# KiCad board Soldermander.kicad_pcb (continued)
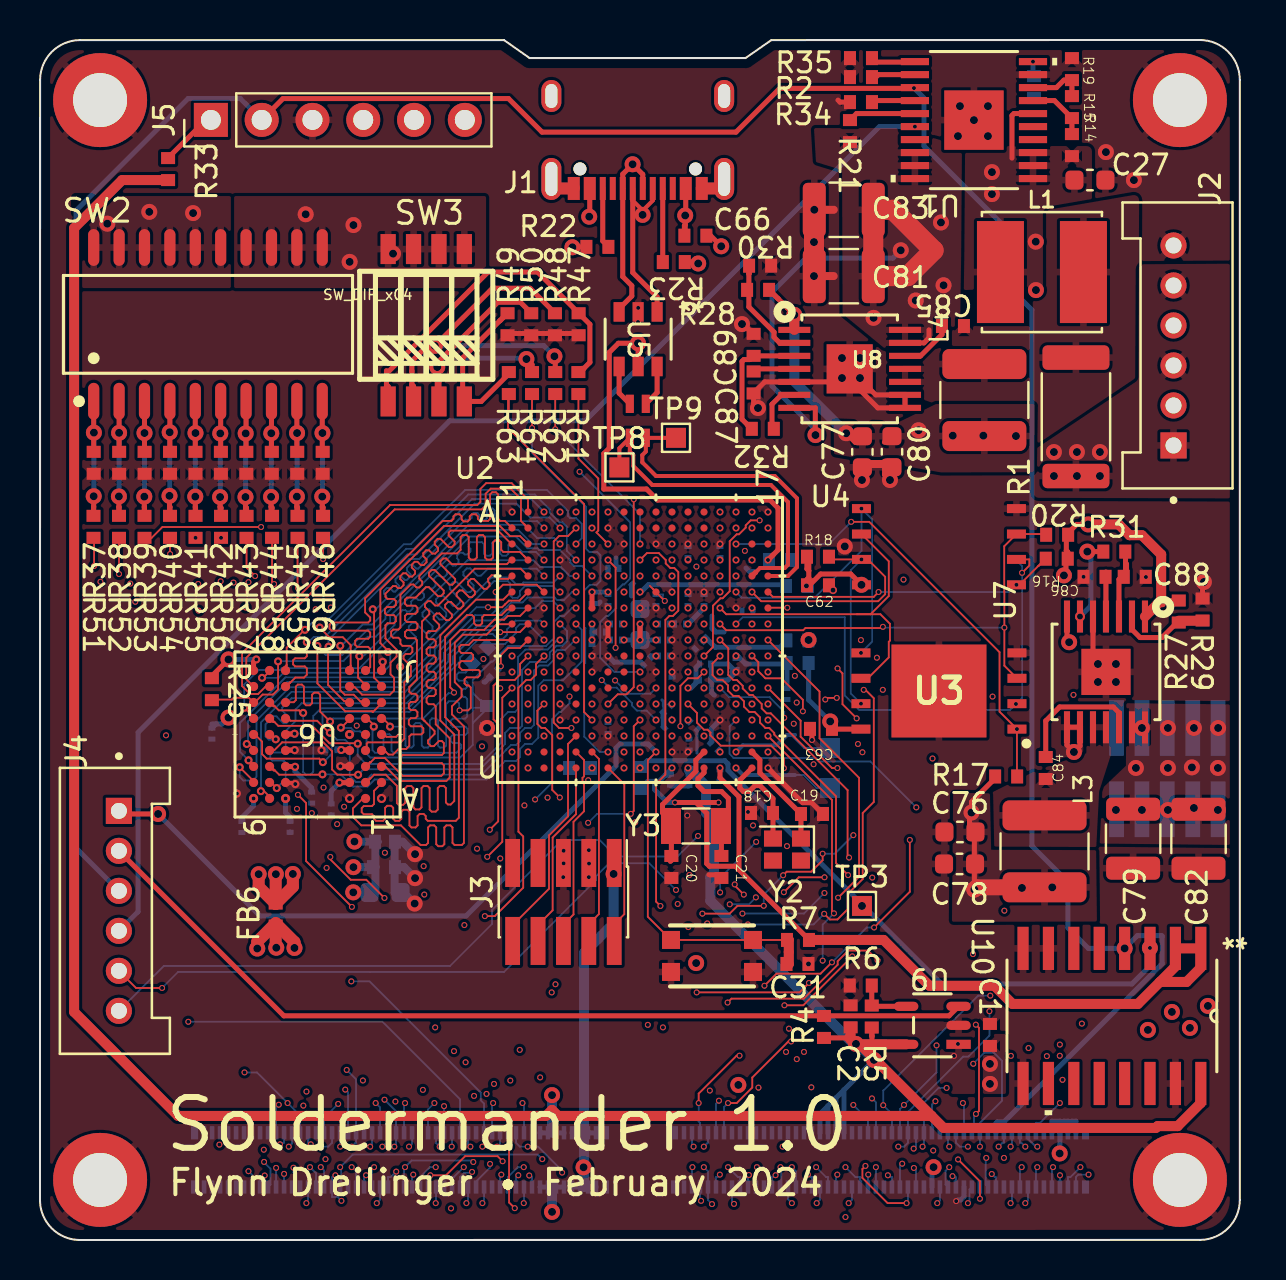
[diagram p0: board, top side]
## Footprints (pads in the part's own frame, mm; a bottom-side part is the same pattern mirrored in y, then rotated) (continued)
UDFN800X600X65-8
  rect 0.95x0.45 smd: 1(3.875,-1.905) 2(3.875,-0.635) 3(3.875,0.635) 4(3.875,1.905) 5(-3.875,1.905) 6(-3.875,0.635) 7(-3.875,-0.635) 8(-3.875,-1.905)
USB_C_Receptacle_XKB_U262-161N-4BVC11
  round 0.65 hole 0.65 unplated: (-2.39,4.045) (3.39,4.045)
  rect 0.6x1.15 smd: A1(-2.7,5.02) A4(-1.9,5.02) A9(2.9,5.02) A12(3.7,5.02)
  rect 0.3x1.15 smd: A5(-0.75,5.02) A6(0.25,5.02) A7(0.75,5.02) A8(1.75,5.02) B5(2.25,5.02) B6(1.25,5.02) B7(-0.25,5.02) B8(-1.25,5.02)
  oval 1x2.1 hole 0.6x1.7: S1(-3.82,4.545) S1(4.82,4.545)
  oval 1x1.6 hole 0.6x1.2: S1(-3.82,0.395) S1(4.82,0.395)
VFBGA54_8X8_MRN
  round 0.457 smd: A1(-3.2,3.2) A2(-2.4,3.2) A3(-1.6,3.2) A7(1.6,3.2) A8(2.4,3.2) A9(3.2,3.2) B1(-3.2,2.4) B2(-2.4,2.4) B3(-1.6,2.4) B7(1.6,2.4) B8(2.4,2.4) B9(3.2,2.4) C1(-3.2,1.6) C2(-2.4,1.6) C3(-1.6,1.6) C7(1.6,1.6) C8(2.4,1.6) C9(3.2,1.6) D1(-3.2,0.8) D2(-2.4,0.8) D3(-1.6,0.8) D7(1.6,0.8) D8(2.4,0.8) D9(3.2,0.8) E1(-3.2,0) E2(-2.4,0) E3(-1.6,0) E7(1.6,0) E8(2.4,0) E9(3.2,0) F1(-3.2,-0.8) F2(-2.4,-0.8) F3(-1.6,-0.8) F7(1.6,-0.8) F8(2.4,-0.8) F9(3.2,-0.8) G1(-3.2,-1.6) G2(-2.4,-1.6) G3(-1.6,-1.6) G7(1.6,-1.6) G8(2.4,-1.6) G9(3.2,-1.6) H1(-3.2,-2.4) H2(-2.4,-2.4) H3(-1.6,-2.4) H7(1.6,-2.4) H8(2.4,-2.4) H9(3.2,-2.4) J1(-3.2,-3.2) J2(-2.4,-3.2) J3(-1.6,-3.2) J7(1.6,-3.2) J8(2.4,-3.2) J9(3.2,-3.2)

## Nets
/RT1176 #1/VDD_LPSR_ANA: C15.1 U2.P12
/RT1176 #1/VDD_LPSR_DIG: C23.1 U2.P11
/RT1176 #1/VDDA_ADC_3P3: C41.1 C42.1 FB1.1 U2.J13
/RT1176 #3/VDD_MIPI_1P0: R3.2 U2.F10
GND: C1.1 C2.1 C3.1 C4.2 C5.2 C6.2 C8.2 C9.2 C10.2 C11.1 C12.2 C13.2 C14.2 C15.2 C17.2 C18.2 C19.2 C20.2 C21.2 C22.2 C23.2 C25.2 C26.2 C27.2 C31.2 C34.2 C38.2 C40.2 C41.2 C42.2 C43.2 C44.2 C45.2 C46.2 C47.2 C48.2 C49.2 C50.2 C51.2 C52.2 C53.2 C54.2 C56.2 C58.2 C59.2 C60.2 C61.2 C62.2 C63.2 C67.2 C68.2 C69.2 C70.2 C71.2 C72.2 C73.2 C74.2 C75.2 C76.1 C77.1 C78.1 C79.2 C80.1 C81.2 C82.2 C83.2 C86.2 C87.2 C88.2 C89.2 H1.1 H2.1 H3.1 H4.1 J2.2 J2.4 J2.6 J3.3 J3.5 J3.9 J5.3 J6.9 J6.10 J6.19 J6.24 J6.29 J6.36 J6.39 J6.49 J6.50 J6.58 J6.59 J6.68 J6.69 J6.78 J6.79 J6.88 J6.89 J6.99 J6.100 J6.MH1 J6.MH2 J6.MH3 J6.MH4 J7.18 J7.27 J7.32 J7.39 J7.46 J7.51 J7.60 J7.63 J7.72 J7.75 J7.84 J7.89 J7.90 J7.91 J7.93 J7.95 J7.96 J7.97 J7.99 J7.MH1 J7.MH2 J7.MH3 J7.MH4 R2.1 R3.1 R6.1 R10.1 R19.1 R24.2 R29.1 R30.1 R34.1 R35.1 R37.1 R38.1 R39.1 R40.1 R41.1 R42.1 R43.1 R44.1 R45.1 R46.1 R47.1 R48.1 R49.1 R50.1 SW1.B SW1.B' U1.9 U1.21 U2.A1 U2.A17 U2.B7 U2.C8 U2.C10 U2.C12 U2.C14 U2.D4 U2.F11 U2.F12 U2.F13 U2.G3 U2.G7 U2.G8 U2.G9 U2.G10 U2.G11 U2.G15 U2.H7 U2.H11 U2.J7 U2.J11 U2.K6 U2.K7 U2.K11 U2.L3 U2.L6 U2.L10 U2.L11 U2.L15 U2.N4 U2.P3 U2.P4 U2.P14 U2.R4 U2.R7 U2.T11 U2.T12 U2.U1 U2.U17 U3.4 U3.9 U4.4 U5.2 U6.A1 U6.A3 U6.B7 U6.C3 U6.D7 U6.E3 U6.J1 U7.5 U7.8 U7.9 U7.15 U8.5 U8.8 U8.9 U8.15 U9.2 U10.7 U10.8 U10.9 U10.15
GNDREF: C66.2 J1.A1 J1.A12 J1.S1 J5.4 R22.1 R23.1
VBATT: C1.2 C27.1 L1.2 R14.2 U1.1 U1.2 U1.3 U1.6 U9.1
VBATT_IN: J2.1 J2.3 J2.5 J5.5 R1.1
VBATT_SENSE: L1.1 R1.2
VDD_1P0: C26.1 U2.N11
VDD_1V8: C47.1 C49.1 C50.1 C51.1 C53.1 C58.1 C62.1 C63.1 C76.2 C78.2 FB2.1 FB3.1 FB6.1 J7.9 J7.10 J7.11 J7.12 J7.13 J7.14 J7.15 J7.16 L3.2 R16.1 R17.1 R18.1 R20.1 R27.2 SW2.15 SW2.16 SW2.17 SW2.18 SW2.19 SW2.20 U2.D12 U2.D14 U2.F6 U2.F7 U2.G6 U2.G13 U2.H12 U3.8 U4.8 U7.1
VDD_3V3: C9.1 C44.1 C45.1 C46.1 C48.1 C52.1 C54.1 C59.1 C77.2 C80.2 FB1.2 J3.1 J6.2 J6.4 J6.6 J6.8 J7.1 J7.2 J7.3 J7.4 J7.5 J7.6 J7.7 J7.8 L4.2 R28.2 SW2.11 SW2.12 SW2.13 SW2.14 SW3.5 SW3.6 SW3.7 SW3.8 U2.E7 U2.G12 U2.H6 U2.J6 U2.M12 U2.P7 U2.R12 U8.1
VDD_3V3_LP: C2.2 C3.2 J6.60 J6.62 J6.64 J6.66 R4.1 R5.2 R33.1 U2.U12 U9.5 U10.16
VDD_SNVS_ANA: C8.1 C25.1 R7.2 R8.2 U2.U11 U2.U14 U10.1 U10.2
VDD_SNVS_DIG: C14.1 U2.T14
VDD_SOC_IN: C4.1 C6.1 C10.1 C12.1 C13.1 C17.1 C22.1 U2.H8 U2.H9 U2.H10 U2.J8 U2.J9 U2.J10 U2.K10
/RT1176 #1/CLK1_N: TP2.1 U2.T15
/RT1176 #1/CLK1_P: TP1.1 U2.U15
/RT1176 #3/MCM_3V3: C61.1 U2.D16
/RT1176 #3/SEMC_DQS: C5.1 U2.J2
/SDRAM/SDRAM_1V8: C67.1 C68.1 C69.1 C70.1 C71.1 C72.1 C73.1 C74.1 C75.1 FB6.2 R25.1 U6.A7 U6.A9 U6.B3 U6.C7 U6.D3 U6.E7 U6.J9
/SDRAM/SEMC_CLK_R: R26.2 U6.F2
/USB-C/USB_CON_DN: J1.A7 J1.B7 U5.1
/USB-C/USB_CON_DP: J1.A6 J1.B6 U5.3
ADC_1V8_IN: C38.1 C40.1 C43.1 FB2.2 U2.G16 U2.K15
BT_CFG_IO_EN: J6.37 U2.P13
CAMERA_TRIG: J7.81 U2.T2
DAC_OUT: J6.20 U2.H16
EN_ADCS: J4.3 J5.2 J6.22 U1.13 U10.4
EN_LP: J4.2 R4.2 U9.3
ENET_RGMII_MDC: J7.85 U2.U2
ENET_RGMII_MDIO: J7.87 U2.R3
ENET_RGMII_RX_EN: J7.20 U2.E13
ENET_RGMII_RXC: J7.22 U2.D13
ENET_RGMII_RXD0: J7.24 U2.D11
ENET_RGMII_RXD1: J7.26 U2.E11
ENET_RGMII_RXD2: J7.28 U2.E10
ENET_RGMII_RXD3: J7.30 U2.C11
ENET_RGMII_TX_EN_BT: J7.42 R55.2 U2.B14
ENET_RGMII_TXC_BT: J7.44 R56.2 U2.A14
ENET_RGMII_TXD0_BT: J7.40 R54.2 U2.C13
ENET_RGMII_TXD1_BT: J7.38 R53.2 U2.A15
ENET_RGMII_TXD2_BT: J7.36 R52.2 U2.E12
ENET_RGMII_TXD3_BT: J7.34 R51.2 U2.D10
FlexSPI_A_CLK: U2.G14 U3.6 U4.6
FlexSPI_A_D0: U2.F15 U3.5 U4.5
FlexSPI_A_D1: U2.H15 U3.2 U4.2
FlexSPI_A_D2: R20.2 U2.H14 U3.3 U4.3
FlexSPI_A_D3: R18.2 U2.F16 U3.7 U4.7
FlexSPI_A_SS0: R16.2 U2.F17 U4.1
FlexSPI_A_SS1: R17.2 U2.C15 U3.1
GPIO_AD_00: J6.25 U2.N12
GPIO_AD_01: J6.27 U2.R14
GPIO_AD_02: J6.31 U2.R13
GPIO_AD_03: J6.33 U2.P15
GPIO_AD_04: J6.35 U2.M13
GPIO_AD_06: J6.41 U2.N13
GPIO_AD_07: J6.43 U2.T17
GPIO_AD_08: J6.45 U2.R15
GPIO_AD_09: J6.47 U2.R16
GPIO_AD_10: J6.51 U2.R17
GPIO_AD_11: J6.53 U2.P16
GPIO_AD_12: J6.55 U2.P17
GPIO_AD_13: J6.57 U2.L12
GPIO_AD_14: J6.61 U2.N14
GPIO_AD_15: J6.63 U2.M14
GPIO_AD_16: J6.65 U2.N17
GPIO_AD_17: J6.67 U2.N15
GPIO_AD_18: J6.71 U2.M16
GPIO_AD_19: J6.73 U2.L16
GPIO_AD_20: J6.75 U2.K13
GPIO_AD_21: J6.77 U2.K14
GPIO_AD_22: J6.83 U2.K12
GPIO_AD_23: J6.81 U2.J12
GPIO_AD_26: J6.87 U2.L14
GPIO_AD_27: J6.91 U2.N16
GPIO_AD_28: J6.93 U2.L17
GPIO_AD_29: J6.95 U2.M17
GPIO_AD_30: J6.97 U2.K17
GPIO_AD_31: J6.90 U2.J17
GPIO_AD_32: J6.92 U2.K16
GPIO_AD_33: J6.94 U2.H17
GPIO_AD_34: J6.96 U2.J16
GPIO_AD_35: J6.98 U2.G17
GPIO_DISP_B2_00: J7.48 R57.2 U2.E8
GPIO_DISP_B2_01: J7.50 R58.2 U2.F8
GPIO_DISP_B2_02: J7.52 R59.2 U2.E9
GPIO_DISP_B2_03: J7.54 R60.2 U2.D7
GPIO_DISP_B2_04: J7.56 R61.2 U2.C7
GPIO_DISP_B2_05: J7.58 R62.2 U2.C9
GPIO_DISP_B2_06: J7.62 U2.C6
GPIO_DISP_B2_07: J7.64 U2.D6
GPIO_DISP_B2_08: J7.66 U2.B5
GPIO_DISP_B2_09: J7.68 U2.D8
GPIO_DISP_B2_10: J7.70 U2.D9
GPIO_DISP_B2_11: J7.74 U2.A6
GPIO_DISP_B2_12: J7.76 U2.B6
GPIO_DISP_B2_13: J7.78 U2.A5
GPIO_DISP_B2_14: J7.80 U2.A7
GPIO_DISP_B2_15: J7.82 U2.A4
GPIO_EMC_B1_40: J6.52 U2.K1
GPIO_EMC_B1_41: J6.54 U2.L1
GPIO_EMC_B2_00: J7.41 U2.K2
GPIO_EMC_B2_01: J7.43 U2.K4
GPIO_EMC_B2_02: J7.45 U2.K3
GPIO_EMC_B2_03: J7.47 U2.R1
GPIO_EMC_B2_04: J7.49 U2.M1
GPIO_EMC_B2_05: J7.53 U2.N1
GPIO_EMC_B2_06: J7.55 U2.T1
GPIO_EMC_B2_07: J7.57 U2.M3
GPIO_EMC_B2_08: J7.59 U2.P1
GPIO_EMC_B2_09: J7.61 U2.N2
GPIO_EMC_B2_10: J7.65 U2.R2
GPIO_EMC_B2_11: J7.67 U2.L4
GPIO_EMC_B2_12: J7.69 U2.M2
GPIO_EMC_B2_13: J7.71 U2.K5
GPIO_EMC_B2_14: J7.73 U2.M4
GPIO_EMC_B2_15: J7.77 U2.L2
GPIO_EMC_B2_16: J7.79 U2.P2
GPIO_EMC_B2_18: J7.83 U2.N3
GPIO_LPSR_00: J6.1 U2.N6
GPIO_LPSR_01: J6.3 U2.R6
GPIO_LPSR_02: J6.5 R63.2 U2.P6
GPIO_LPSR_03: J6.7 R64.2 U2.T7
GPIO_LPSR_04: J6.11 U2.N7
GPIO_LPSR_05: J6.13 U2.N8
GPIO_LPSR_06: J6.15 U2.P8
GPIO_LPSR_07: J6.17 U2.R8
GPIO_LPSR_08: J6.21 U2.U8
GPIO_LPSR_09: J6.23 U2.P5
GPIO_SD_B1_00: J6.26 U2.B16
GPIO_SD_B1_01: J6.28 U2.D15
GPIO_SD_B1_03: J6.30 U2.B17
GPIO_SD_B1_04: J6.32 U2.B15
GPIO_SD_B1_05: J6.34 U2.A16
GPIO_SNVS_00: J7.17 U2.R10
GPIO_SNVS_01: J7.19 U2.P10
GPIO_SNVS_02: J7.21 U2.L9
GPIO_SNVS_03: J7.23 U2.M10
GPIO_SNVS_04: J7.25 U2.N10
GPIO_SNVS_05: J7.29 U2.P9
GPIO_SNVS_06: J7.31 U2.M9
GPIO_SNVS_07: J7.33 U2.R9
GPIO_SNVS_08: J7.35 U2.N9
GPIO_SNVS_09: J7.37 U2.R11
JTAG_MOD: R10.2 U2.U6
JTAG_TDI: J3.8 U2.U5
JTAG_TDO: J3.6 U2.T5
LPUART1_RX_BOOT: J4.6 J6.85 U2.M15
LPUART1_TX_BOOT: J4.5 U2.L13
ONOFF: J6.12 U2.U10
OTG1_D_N: L2.2 TP8.1 U2.E16
OTG1_D_P: L2.3 TP9.1 U2.E17
P_GOOD: J4.4 U1.16
PMIC_ON_REQ: J6.18 R8.1 TP3.1 U2.U9 U10.3
PMIC_STBY_REQ: J6.14 U2.T9
POR_B: C31.1 J4.1 R7.1 SW1.A SW1.A' U2.T10
SEMC_A0: U2.A3 U6.H7
SEMC_A1: U2.A2 U6.H8
SEMC_A2: U2.C2 U6.J8
SEMC_A3: U2.C5 U6.J7
SEMC_A4: U2.D5 U6.J3
SEMC_A5: U2.B1 U6.J2
SEMC_A6: U2.C1 U6.H3
SEMC_A7: U2.D3 U6.H2
SEMC_A8: U2.B3 U6.H1
SEMC_A9: U2.B4 U6.G3
SEMC_A10: U2.B2 U6.H9
SEMC_A11: U2.C4 U6.G2
SEMC_A12: U2.C3 U6.G1
SEMC_BA0: U2.G2 U6.G7
SEMC_BA1: U2.H2 U6.G8
SEMC_CAS: U2.J5 U6.F7
SEMC_CKE: R24.1 U2.G5 U6.F3
SEMC_CLK: R26.1 U2.J3
SEMC_CS0: R25.2 U2.E6 U6.G9
SEMC_D0: U2.F3 U6.A8
SEMC_D1: U2.F2 U6.B9
SEMC_D2: U2.G4 U6.B8
SEMC_D3: U2.E4 U6.C9
SEMC_D4: U2.H5 U6.C8
SEMC_D5: U2.F4 U6.D9
SEMC_D6: U2.H4 U6.D8
SEMC_D7: U2.H3 U6.E9
SEMC_D8: U2.E3 U6.E1
SEMC_D9: U2.D2 U6.D2
SEMC_D10: U2.D1 U6.D1
SEMC_D11: U2.E2 U6.C2
SEMC_D12: U2.E1 U6.C1
SEMC_D13: U2.F1 U6.B2
SEMC_D14: U2.G1 U6.B1
SEMC_D15: U2.H1 U6.A2
SEMC_DM0: U2.F5 U6.E8
SEMC_DM1: U2.J1 U6.F1
SEMC_RAS: U2.J4 U6.F8
SEMC_WE: U2.E5 U6.F9
SWD_CLK: J3.4 U2.T6
SWD_DIO: J3.2 U2.U7
SWD_RESET: J3.10 U2.R5
USB_CC1: J1.A5 R23.2
USB_CC2: J1.B5 R22.2
USDHC2_CLK: J6.46 U2.F14
USDHC2_CMD: J6.48 U2.E14
USDHC2_DATA0: J6.44 U2.E15
USDHC2_DATA1: J6.42 U2.H13
USDHC2_DATA2: J6.40 U2.J14
USDHC2_DATA3: J6.38 U2.J15
VSYS: C79.1 C81.1 C82.1 C83.1 J8.1 J8.2 J8.3 J8.4 J8.5 J8.6 J8.7 J8.8 J8.9 J8.10 R21.2 U1.18 U1.19 U1.20 U7.7 U7.13 U7.14 U8.7 U8.13 U8.14
VUSB: C60.1 C66.1 J1.A4 J1.A9 J5.6 U2.D17 U5.5
WAKEUP: J6.16 U2.T8
Net-(J5-Pin_1): J5.1 R33.2
Net-(R37-Pad2): R37.2 R51.1 SW2.1
Net-(R38-Pad2): R38.2 R52.1 SW2.2
Net-(R39-Pad2): R39.2 R53.1 SW2.3
Net-(R40-Pad2): R40.2 R54.1 SW2.4
Net-(R41-Pad2): R41.2 R55.1 SW2.5
Net-(R42-Pad2): R42.2 R56.1 SW2.6
Net-(R43-Pad2): R43.2 R57.1 SW2.7
Net-(R44-Pad2): R44.2 R58.1 SW2.8
Net-(R45-Pad2): R45.2 R59.1 SW2.9
Net-(R46-Pad2): R46.2 R60.1 SW2.10
Net-(R47-Pad2): R47.2 R61.1 SW3.1
Net-(R48-Pad2): R48.2 R62.1 SW3.2
Net-(R49-Pad2): R49.2 R63.1 SW3.4
Net-(R50-Pad2): R50.2 R64.1 SW3.3
Net-(U1-*FLT): R21.1 U1.15
Net-(U1-DVDT): C11.2 U1.10
Net-(U1-ILIM): R35.2 U1.11
Net-(U1-IMON): R34.2 U1.14
Net-(U1-MODE): R2.2 U1.12
Net-(U1-OVP): R15.1 R19.2 U1.8
Net-(U1-UVLO): R14.1 R15.2 U1.7
Net-(U2A-RTC_XTALI): C20.1 U2.T13 Y3.2
Net-(U2A-RTC_XTALO): C21.1 U2.U13 Y3.1
Net-(U2B-VDDA_1P8_IN): C34.1 U2.M11
Net-(U2E-XTALI): C18.1 U2.U16 Y2.2
Net-(U2E-XTALO): C19.1 U2.T16 Y2.1
Net-(U2K-VDD_MIPI_1P8): C56.1 FB3.2 U2.F9
Net-(U5-IO_1_OUT): L2.4 U5.6
Net-(U5-IO_2_OUT): L2.1 U5.4
Net-(U7-PG): R31.1 U7.6
Net-(U7-SS): C86.1 U7.4
Net-(U7-SW1): C84.1 L3.1 U7.10 U7.11
Net-(U7-VBST): C84.2 U7.12
Net-(U7-VFB): R27.1 R29.2 U7.2
Net-(U7-VREG5): C88.1 R31.2 U7.3
Net-(U8-PG): R32.1 U8.6
Net-(U8-SS): C87.1 U8.4
Net-(U8-SW1): C85.1 L4.1 U8.10 U8.11
Net-(U8-VBST): C85.2 U8.12
Net-(U8-VFB): R28.1 R30.2 U8.2
Net-(U8-VREG5): C89.1 R32.2 U8.3
Net-(U9-ADJ): R5.1 R6.2 U9.4

Pads without a net: J1 A8 B8; J3 7; J6 56 70 72 74 76 80 82 84 86; J7 86 88 92 94 98 100; U1 4 5 17; U2 A8 A9 A10 A11 A12 A13 B8 B9 B10 B11 B12 B13 C16 C17 K8 K9 L5 L7 L8 M5 M6 M7 M8 N5 T3 T4 U3 U4; U6 E2; U10 5 6 10 11 12 13 14; Y2 3 4

## Via types
v1: diameter 0.3, hole 0.2, Top to Bottom, 586 vias
v2: diameter 0.8, hole 0.4, Top to Bottom, 144 vias
v3: diameter 0.406, hole 0.203, Top to Bottom, 12 vias
v4: diameter 0.4, hole 0.25, Top to Bottom, 5 vias
v5: diameter 0.4, hole 0.2, Top to Bottom, 30 vias
v6: diameter 0.8, hole 0.2, Top to Bottom, 1 via
v7: diameter 0.5, hole 0.3, Top to Bottom, 1 via

## Routing (per net, layer and track width the routed paths; a pad name or vN(x,y) marks a point on that pad's centre or on a via; arc(x,y) is an arc through that point)
/RT1176 #1/VDD_LPSR_ANA: length 0.1
  Bottom w0.25: v1(32.41,26.01) 32.35,25.95
/RT1176 #1/VDD_LPSR_DIG: length 0
  vias: v1(31.61,26.01)
/RT1176 #1/VDDA_ADC_3P3: length 4.8
  Bottom w0.25: 33.18,30.01 33.18,30.03 ; 33.18,30.01 33.18,29.98 C42.1 ; 33.18,30.01 v1(33.21,30.01) ; 33.18,30.03 33.16,30.03 ; 33.18,30.03 33.27,30.03 ; 33.27,30.03 33.39,30.03 33.77,29.64 37.01,29.64 37.33,29.96 ; 33.27,30.03 33.31,30.07 C41.1 ; 37.33,29.96 37.37,30.01 ; 37.33,29.96 FB1.1
/RT1176 #3/VDD_MIPI_1P0: length 2
  Top w0.09: v1(31.24,31.96) 30.81,32.4 U2.F10 ; 30.65,32.56 30.65,32.56 U2.F10 ; 30.65,32.56 U2.F10 ; 30.65,32.56 30.5,32.72
  Bottom w0.09: v1(31.24,31.96) 31.15,32.05 31.15,32.28 R3.2
GND: length 65.5
  Top w0.203: 12.34,22.89 12.37,22.86 12.65,22.86 12.71,22.8 v3(12.77,22.8) ; 15.54,25.33 15.54,25.29
  Top w0.25: v2(58.21,32.91) 58.14,32.84 R29.1 58.14,31.99 ; 35.69,45.3 35.18,45.81 v2(35.11,45.81) ; 23.38,45.34 26.94,45.34 ; v2(35.91,41.61) 35.69,41.83 C87.2 35.69,42.36 36.24,42.91 U8.5 39.84,42.91 U8.15 41.79,42.26 U8.9 U8.8 41.9,41.61 41.01,42.51 v2(41.01,43.11) ; v1(38.61,25.01) 38.61,25.46 C63.2 ; 33.46,18.27 33.92,18.27 C21.2 ; U7.15 52.66,29.06 52.66,31.18 ; C19.2 38.59,21.87 38.14,21.87 v1(36.41,23.61) ; v2(42.51,38.01) 42.24,38.28 42.24,38.94 42.23,38.94 ; v1(31.61,32.41) 31.61,32.36 ; 39.91,57.01 40.01,56.91 R34.1 ; v2(41.11,38.01) 41.13,38.03 C77.1 41.13,38.94 ; 57.93,18.6 C82.2 ; v1(28.41,30.81) v1(28.41,30.01) ; 39.69,48.21 39.7,48.2 ; U7.8 51.36,24.75 v2(51.71,24.41) 52.01,24.71 U7.9 U7.8
  Top w0.254: v3(15.02,23.69) 15.54,23.69 ; 12.34,24.49 12.34,24.5 v3(12.74,24.5) 12.78,24.46 ; 15.54,22.09 15.49,22.09 v4(15.48,22.08) ; v4(17.08,22.08) 17.1,22.08 17.11,22.09 17.14,22.09 ; 17.14,28.49 v3(17.14,28.91)
  Top w0.4: 41.13,38.81 42.24,38.81 ; v2(38.71,48.21) 39.69,48.21 ; v2(38.72,51.52) 39.7,51.52 ; 18.81,19.4 18.81,19.35 v2(18.76,19.3)
  Top w1: v2(38.72,51.52) 38.71,51.51 v2(38.71,49.91) v2(38.71,48.21) C81.2
  In1.Cu w0.25: 14.21,24.5 14.22,24.5 ; 14.21,24.5 v3(14.08,24.5) 14.21,24.5
  Bottom w0.09: C15.2 32.86,25.52 ; 31.11,26.42 C26.2
  Bottom w0.15: 31.11,26.42 31.21,26.52 31.21,26.68 31.17,26.72 31.17,26.94 31.11,27.01 ; 32.86,25.52 32.86,24.36
  Bottom w0.203: v3(12.77,22.8) 12.77,22.79 12.75,22.79 ; 9.87,22.39 9.87,22.38 9.85,22.41 9.85,22.43
  Bottom w0.25: C44.2 34.41,28.01 v1(34.81,28.41) ; C44.2 33.57,28.05 33.57,28.77 C46.2 34.41,28.81 v1(34.81,28.41) ; C44.2 33.57,27.97 33.57,27.4 33.73,27.25 ; v1(34.81,28.41) 34.61,28.41 ; v2(22.36,25.61) 22.36,25.6 ; C26.2 31.16,26.13 31.17,26.12 31.17,25.67 C23.2 ; C3.1 32.43,22.71 31.58,22.71 C25.2 ; 35.31,33.61 35.48,33.43 C61.2 ; 33.61,31.21 33.61,30.59 C41.2 33.79,30.41 34.21,30.41 ; C5.2 22.26,27.91 22.21,27.91 ; 12.53,20.39 C70.2 12.47,20.39 ; v1(28.41,31.61) C51.2 ; v3(14.08,24.5) 14.25,24.5 14.25,24.52 ; C12.2 30.05,28.9 28.72,28.9 v1(28.41,29.21) ; v1(31.61,30.81) 31.72,30.81 ; C56.2 29.58,32.76 29.58,32.22 29.59,32.22 ; C53.2 27.93,31.83 28.01,31.91 ; C48.2 28.81,33.73 28.81,34.11 ; C71.2 14.57,21.26 ; 10.13,20.38 C72.2 ; C14.2 33.57,24.9 33.57,25.57 v1(34.01,26.01) ; 45.91,2.01 46.05,2.01 46.21,2.16 J6.29
  Bottom w0.4: 17.74,18.65 17.74,19.92 18.14,19.92 v2(18.76,19.3) ; 17.74,18.65 17.74,17.38 C67.2 18.19,17.38 v2(18.74,16.83) ; 17.74,18.65 C68.2 18.21,18.65 v2(18.76,18.1)
  vias: v1(15.48,25.28) v1(23.61,36.41) v1(23.61,23.61) v1(25.21,31.61) v1(25.21,28.41) v1(25.21,26.01) v1(26.01,34.01) v1(26.01,26.81) v1(26.01,26.01) v1(26.01,25.21) v1(26.19,19.47) v1(26.19,18.84) v1(26.17,18.15) v1(27.45,19.5) v1(27.46,18.83) v1(27.45,18.15) v1(27.61,29.21) v1(27.61,28.41) v1(28.41,35.61) v1(28.41,25.21) v1(29.21,34.81) v1(29.21,31.61) v1(29.92,46.62) v1(29.91,45.91) v1(30.01,31.61) v1(30.81,34.81) v1(30.81,31.61) v1(30.81,28.41) v1(31.61,31.61) v1(31.61,30.01) v1(31.61,29.21) v1(31.61,28.41) v1(31.61,24.41) v1(32.41,34.81) v1(32.41,32.41) v1(32.41,24.41) v1(32.37,21.23) v1(33.21,32.41) v1(34.01,34.81) v1(34.81,31.61) v1(35.41,21.41) v1(36.41,36.41) v1(45.82,1.95) v1(52.19,33.17) v1(55.31,33.16) v2(40.11,44.11) v2(40.11,43.11) v2(40.25,34.69) v2(41.01,44.11) v2(45.91,55.21) v2(46.01,56.71) v2(46.71,56.01) v2(47.41,56.71) v2(47.41,55.21) v2(52.91,28.81) v2(52.91,27.91) v2(53.31,54.41) v2(53.81,28.81) v2(53.81,27.91) v2(54.71,53.01) v3(9.85,22.33) v4(38.43,13.81) v4(39.66,32.5)
GNDREF: length 5.2
  Top w0.25: 27.42,49.67 R22.1 26.65,49.67 v2(26.63,49.65) ; 33.74,52.59 J1.S1 ; 32.16,48.91 R23.1 32.85,48.91 v2(32.92,48.84) ; v2(34.07,49.7) 33.54,50.23 C66.2 33.31,50.23 ; 26.05,52.59 J1.S1
  Top w0.6: J1.A1 33.74,52.59 ; J1.A12 26.05,52.59
VBATT: length 3.2
  Top w0.25: U1.6 48.7,56.33 48.61,56.23 48.61,54.11
  vias: v1(45.71,9.21) v1(45.91,9.81) v2(47.51,8.81) v2(47.51,7.81) v2(47.61,53.41) v2(47.61,52.31) v2(49.8,49.93) v2(49.81,47.51) v2(55.41,10.51) v2(56.61,11.41) v2(57.51,10.61) v2(58.41,11.71)
VBATT_IN:
  vias: v2(50.71,39.41) v2(50.71,38.21) v2(51.86,39.41) v2(51.86,38.21) v2(53.01,39.41) v2(53.01,38.21)
VDD_1P0: length 0.1
  Bottom w0.25: v1(31.61,26.81) C26.1
VDD_1V8: length 48.5
  Top w0.25: 38.45,33.12 38.36,33.03 C62.1 ; 38.45,33.12 38.45,33.47 ; 38.45,33.12 38.45,32.77 38.48,32.74 39.04,33.31 40.54,33.31 v2(41.08,32.77) ; v2(46.73,17.53) 46.73,20.35 C76.2 ; v2(52.42,35.79) 51.84,35.79 51.42,35.36 ; R16.1 51.4,34.41 51.33,34.48 ; 47.86,23.18 47.77,23.09 ; 47.77,23.09 R17.1 ; 47.77,23.09 46.58,21.91 v2(46.58,21.38) 46.49,21.28 46.49,20.12 ; 46.49,20.12 46.47,20.1 ; 46.49,20.12 46.49,21.11 ; C63.1 39.61,25.57 39.62,25.58 ; 51.33,34.48 51.33,34.09 51.31,34.07 51.31,33.34 v2(51.21,33.24) ; 51.33,34.48 51.33,35.27 51.42,35.36 ; v2(39.52,25.93) 39.52,25.68 39.62,25.58 ; 51.42,35.36 R20.1 ; v1(34.01,34.01) U2.D14 ; 38.45,33.47 38.45,34.17 ; 38.45,33.47 38.36,33.56 R18.1 ; 11.79,14.65 v2(11.82,14.62) ; 39.62,25.58 39.65,25.55 U3.8 41.26,25.55 ; 55.85,31.78 56.14,31.78 56.35,31.98 R27.2 ; v1(32.41,34.03) U2.D12 ; v1(27.61,32.41) U2.G6
  Top w0.5: 55.26,31.18 56.07,31.99 56.07,34.28 55.11,35.25 54.49,35.25 53.95,35.79 v2(52.42,35.79)
  Top w0.6: v2(12.73,14.61) 12.73,14.9 11.79,15.84 ; 11.79,14.65 FB6.1 11.79,15.84 ; 11.79,15.84 10.87,14.92 v2(10.87,14.58)
  Top w0.8: v2(46.73,17.53) 46.84,17.64 L3.2
  Bottom w0.25: C58.1 v1(32.41,30.81) v1(33.21,31.61) C50.1 ; v2(39.52,25.93) 38.44,27.01 FB2.1 ; J7.16 J7.14 J7.12 J7.10 ; C53.1 v1(27.61,32.41) v1(28.41,32.41) C51.1 ; v1(32.41,34.03) C47.1 ; J7.9 J7.11 J7.13 J7.15 ; v1(34.01,34.01) C49.1
  Bottom w0.5: 25.61,5.36 v2(25.61,7.25) ; 25.61,2.65 v2(25.61,1.41)
  vias: v2(3.37,50.83) v2(5.47,51.42) v2(7.66,51.36) v2(49.11,17.61) v2(50.62,17.64) v4(38.33,32.71)
VDD_3V3: length 71.5
  Top w0.25: v2(40.32,40.35) 40.77,39.9 41.13,39.9 ; 36.92,47.07 37.36,46.63 37.39,46.63 37.39,46.6 v2(37.72,46.26) ; 36.92,47.07 36.91,47.07 R28.2 ; 36.92,47.07 36.47,47.52 ; 42.23,39.9 42.24,39.9 ; v2(28.69,18.31) 28.72,18.34 J3.1
  Top w0.5: v2(37.72,46.26) U8.1
  In1.Cu w0.25: v1(28.41,33.21) 28,32.8 28,31.2 ; 28,31.2 v1(27.61,30.81) ; 28,31.2 32,31.2 v1(32.41,31.61) ; v2(27.18,3.64) 28.11,2.71 47.58,2.71 48.99,4.12 50.78,4.12 v2(50.99,4.33)
  Bottom w0.09: 32.39,31.61 v1(32.41,31.61)
  Bottom w0.25: v1(32.41,27.61) 32.55,27.61 32.81,27.86 ; v1(28.41,33.21) 28.41,33.58 C48.1 ; J6.8 50.61,5.94 51.01,5.94 51.01,5.74 ; 32.89,27.95 32.95,28.01 ; 32.89,27.95 32.81,27.86 ; 32.89,27.95 32.95,28.01 ; 32.95,28.01 C44.1 ; 32.95,28.01 32.98,28.03 ; C52.1 v1(27.61,30.01) 27.61,30.41 ; J7.1 J7.3 J7.5 J7.7 ; C46.1 32.81,28.63 32.81,27.86 ; 38.34,30.01 38.41,30.01 ; 38.41,30.01 v2(38.44,30.01) ; 38.41,30.01 FB1.2 ; J7.2 J7.4 J7.6 J7.8 ; v1(28.41,26.01) C45.1 ; v1(27.61,30.81) 27.61,30.41 ; 27.61,30.41 C54.1 ; v2(27.18,3.64) 27.18,3.46 27.21,3.43 ; 51.01,5.74 J6.6 51.01,4.34 v2(50.99,4.33) ; 51.01,5.74 51.21,5.94 51.41,5.94 51.41,5.74 ; v1(32.41,25.21) 32.46,25.16 C9.1 ; v1(32.41,31.61) C59.1 ; 51.41,5.74 51.61,5.94 51.81,5.94 J6.2 ; 51.41,5.74 J6.4
  Bottom w0.5: v2(40.32,40.35) 37.72,42.94 v2(37.72,46.26) ; 27.21,2.65 27.21,14.36 28.69,15.84 v2(28.69,18.31)
  vias: v2(13.29,51.3) v2(15.49,48.92) v2(15.68,50.76) v2(17.66,49.33) v2(43.94,40.5) v2(45.65,40.23) v2(47.18,40.23) v2(48.81,40.21)
VDD_3V3_LP: length 147.7
  Top w0.25: 41.61,10.59 41.61,10.19 ; 41.61,10.19 41.6,10.2 R5.2 ; 41.61,10.19 41.61,9.8 41.6,9.79 ; 40.54,10.04 40.79,9.79 ; R4.1 40.47,10.11
  Top w0.5: U9.5 41.01,9.79 ; 41.01,9.79 40.79,9.79 40.54,10.04 ; 41.01,9.79 41.71,9.09 v2(41.71,9.01) 41.79,9.01 44.59,6.21 ; 44.59,6.21 45.19,5.61 55.8,5.61 55.89,5.7 56.9,5.7 58.05,6.85 U10.16 ; 44.59,6.21 25.91,6.21 25.61,6.51 25.31,6.21 6.91,6.21 1.71,11.41 1.71,50.61 4.11,53.01 R33.1 ; C2.2 40.54,10.04 ; 40.54,10.04 40.47,10.11
  Bottom w0.25: 32.82,23.19 32.54,23.19 C3.2 ; v1(32.41,23.61) 32.41,23.57 32.49,23.49 ; 39.41,6.71 J6.64 ; 39.41,6.71 39.81,7.11 ; 39.41,6.71 39.01,6.31 J6.66 ; 39.81,7.11 J6.62 ; 39.81,7.11 40.21,7.51 ; v2(40.81,9.81) 40.91,9.81 ; 40.21,7.51 J6.60 ; 40.21,7.51 v2(41.71,9.01)
  Bottom w0.5: 40.93,9.79 40.83,9.79 v2(40.81,9.81) 40.79,9.79 40.7,9.79 33.52,16.97 33.52,18.16 33.71,18.34 33.71,20.96 33.31,21.36 33.31,22.71 32.53,23.49 32.46,23.49 ; 40.93,9.79 v2(41.71,9.01) ; 40.93,9.79 42.35,9.79 ; 40.93,9.79 40.91,9.81
VDD_SNVS_ANA: length 47.9
  Top w0.25: 34.96,18.52 38.47,15.01 ; 34.96,18.52 34.78,18.69 33.48,18.69 33.34,18.83 33.34,21.35 32.81,21.88 ; 34.96,18.52 34.96,22.16 34.01,23.11 v1(34.01,23.61) ; 56.78,13.68 U10.2 ; 58.05,13.62 U10.1 ; 32.81,21.88 v1(31.76,21.88) ; 32.81,21.88 v1(33.93,21.88)
  Top w0.5: U10.2 U10.1 ; 56.01,12.91 57.34,12.91 58.05,13.62 ; 56.01,12.91 56.78,13.68 ; 56.01,12.91 54.91,11.81 48.63,11.81 47.73,12.71 44.48,12.71 42.19,15.01 R7.2
  Bottom w0.25: C25.1 31.47,23.24 31.26,23.24 ; 30.2,22.74 30.01,22.55 ; 30.2,22.74 30.4,22.94 30.74,22.94 ; 30.2,22.74 30.19,22.74 R8.2 ; 31.26,23.24 30.96,22.94 30.74,22.94 ; 31.26,23.24 31.53,23.51 31.53,23.51 31.53,23.53 v1(31.61,23.61) ; 30.74,22.94 30.74,22.53 31.38,21.88 v1(31.76,21.88)
VDD_SNVS_DIG: length 0.1
  Bottom w0.25: v1(34.01,24.41) C14.1
VDD_SOC_IN: length 7.6
  Top w0.25: v1(30.01,30.81) v1(30.01,30.01)
  In1.Cu w0.25: v1(29.21,30.81) v1(30.01,30.81)
  In2.Cu w0.25: v1(30.81,29.21) v1(30.81,30.01) v1(30.81,30.81)
  Bottom w0.25: 30.01,30.41 v1(30.01,30.81) ; 30.01,30.41 30.41,30.01 v1(30.81,30.01) 30.83,30.01 30.85,29.98 ; 30.01,30.41 v1(30.01,30.81) ; 30.01,30.41 29.61,30.01 v1(29.21,30.01) C22.1 ; v1(30.01,30.81) 30.01,30.83 ; 30.85,29.98 30.88,30.01 ; 30.85,29.98 30.91,29.98 C13.1 ; 30.85,29.98 30.83,29.96 ; 29.2,30.8 29.09,30.8 C10.1 ; 29.2,30.8 v1(29.21,30.81) ; 29.2,30.8 29.19,30.79 ; v1(30.01,30.01) 30.01,30.23 v1(30.01,30.01) ; v1(30.01,30.01) 30.01,29.93 ; v1(30.81,29.21) C17.1 30.61,29.21 C12.1 ; v1(30.81,30.81) C6.1
/RT1176 #1/CLK1_N: length 5.5
  Bottom w0.09: 37.56,25.26 38.21,24.61 TP2.1
  Bottom w0.2: 37.76,25.26 37.36,25.26 36.85,24.75 35.15,24.75 v1(34.81,24.41)
/RT1176 #1/CLK1_P: length 5.1
  Bottom w0.09: 37.76,23.26 38.19,23.26 38.84,22.61 TP1.1
  Bottom w0.2: v1(34.81,23.61) 35.16,23.26 37.76,23.26
/RT1176 #3/MCM_3V3: length 0
  Top w0.25: v1(35.61,34.01) U2.D16
  Bottom w0.25: v1(35.61,34.01) C61.1
/RT1176 #3/SEMC_DQS: length 2.4
  Top w0.09: U2.J2 24.01,29.61 23.41,29.61 23.05,29.25 v1(23.05,28.7)
  Bottom w0.09: v1(23.05,28.7) C5.1
/SDRAM/SDRAM_1V8: length 23.7
  Top w0.25: U6.J9 10.68,28.9 v5(10.82,29.03) ; 15.46,24.51 U6.D3 ; 12.34,25.3 12.3,25.3 U6.E7 ; U6.C7 12.29,23.69 12.34,23.69 ; v2(11.8,18.3) 11.79,18.29 ; 8.6,28.01 R25.1 8.6,28.21 v2(9.43,29.04) ; 15.47,22.87 U6.B3
  Top w0.254: v3(12.75,23.66) 12.74,23.68 12.35,23.68 12.34,23.69 ; v3(12.28,22.08) 12.32,22.08 12.34,22.09 ; 15.54,22.89 15.51,22.87 v3(14.98,22.87) ; 12.34,25.29 12.35,25.31 12.72,25.31 v3(12.73,25.32) ; 10.74,22.09 10.69,22.09 v3(10.68,22.08) ; 15.54,24.49 15.52,24.51 v3(15.06,24.51)
  Top w0.6: 11.79,18.29 FB6.2 11.79,16.81 ; 11.79,16.81 12.65,17.67 v2(12.65,18.31) ; 11.79,16.81 10.94,17.66 v2(10.94,18.3)
  Bottom w0.25: v3(12.28,22.08) 12.28,21.37 12.51,21.15 C70.1 ; v2(9.43,26.13) 9.11,25.81 8.8,25.81 ; 15.68,17.38 v2(15.67,17.39) ; v3(10.68,22.08) 10.68,21.72 10.1,21.14 C72.1 ; v3(12.75,23.66) 12.75,23.44 13.59,22.61 C75.1 ; 8.6,25.81 8.8,25.81 ; 8.8,25.81 C74.1 ; v3(15.06,24.51) 14.86,24.51 C73.1 ; C71.1 14.57,22.46 v3(14.98,22.87) ; v2(9.43,29.04) 9.43,29.03 v5(10.82,29.03) ; 16.78,19.92 16.98,19.92 ; 15.74,19.92 v2(15.73,19.93)
  Bottom w0.4: 16.78,18.65 16.78,17.38 C67.1 15.68,17.38 ; 16.78,18.65 16.78,19.92 15.74,19.92 ; 16.78,18.65 C68.1 v2(15.68,18.65)
/SDRAM/SEMC_CLK_R: length 16.2
  Top w0.09: U6.F2 16.29,26.09 16.35,26.09 16.69,25.75 v5(16.69,25.67)
  Bottom w0.09: R26.2 21.6,28.77 21.55,28.71 ; 21.55,28.71 21.55,28.78 ; 21.55,28.71 21.55,28.65 21.28,28.38 20.95,28.38 20.84,28.28 20.84,28.08 20.95,27.97 21.28,27.97 21.38,27.87 21.38,27.67 21.28,27.57 21.19,27.57 21.09,27.47 21.09,27.26 21.19,27.16 21.26,27.16 21.36,27.06 21.36,26.17 21.26,26.07 20.64,26.07 20.54,25.97 20.54,25.77 20.64,25.67 21.28,25.67 21.38,25.56 21.38,25.36 21.28,25.26 20.64,25.26 20.54,25.16 20.54,24.95 20.64,24.85 20.97,24.85 21.07,24.75 21.07,24.61 20.83,24.37 17.68,24.37 17.58,24.47 17.58,25.19 17.48,25.29 17.28,25.29 17.17,25.19 17.17,24.47 17.07,24.37 16.75,24.37 16.63,24.49 16.63,25.46 16.63,25.47 16.63,25.62 v5(16.69,25.67)
/USB-C/USB_CON_DN: length 9.7
  Top w0.2: 30.14,51.47 v2(30.14,51.27) 30.14,51.47 ; 30.14,51.47 30.64,51.98 J1.B7 ; 30.14,51.47 30.14,51.49 29.64,51.98 J1.A7
  Top w0.25: U5.1 30.86,47.16 29.64,48.38 J1.A7
/USB-C/USB_CON_DP: length 9.6
  Top w0.25: v2(29.64,53.8) 30.14,53.29 J1.A6 ; v2(29.64,53.8) 29.54,53.7 ; v2(29.64,53.8) 29.54,53.7 ; 29.54,53.7 29.14,53.3 J1.B6 29.14,48.17 29.6,47.72 29.6,47.21 28.96,46.57 U5.3 ; 29.54,53.7 29.54,53.65
ADC_1V8_IN: length 7.1
  In2.Cu w0.25: v1(35.61,31.61) 35.17,31.17 35.17,29.57 v1(34.81,29.21)
  Bottom w0.25: C43.1 37.36,28.86 FB2.2 37.29,28.81 35.29,28.81 34.91,29.18 ; 34.91,29.18 C38.1 ; 34.91,29.18 34.85,29.25 ; 34.81,29.29 34.85,29.25 ; 34.85,29.25 v1(34.81,29.21) ; C40.1 35.66,31.56 v1(35.61,31.61)
BT_CFG_IO_EN: length 35
  In1.Cu w0.25: v2(34.92,7.75) 34.58,8.1 34.58,11.55 34.75,11.72 34.75,12.09 32.99,13.85 v2(32.81,13.85)
  In2.Cu w0.09: v2(32.81,13.85) 32.81,15.78 32.76,15.83 32.76,18.02 32.85,18.11 32.85,19.2 32.34,19.71 32.34,20.69 32.91,21.25 32.91,25.71 v1(33.21,26.01)
  In2.Cu w0.25: v2(44.69,3.64) 43.86,2.81 36.69,2.81 36.22,3.29 36.22,6.46 v2(34.92,7.75)
  Bottom w0.25: v2(44.69,3.64) 44.61,3.56 J6.37
CAMERA_TRIG: length 33.1
  In1.Cu w0.09: v1(20.7,9.45) 20.51,9.25 20.51,6.8 20.91,6.4 20.91,4.54 20.55,4.19 15.64,4.19 15.3,4.53 15.3,4.79 15.13,4.96 14.78,4.96 13.76,3.93 12.25,3.93 11.93,3.61 v1(11.81,3.61)
  In2.Cu w0.09: v1(24.41,24.41) 23.94,23.94 23.48,23.94 20.7,21.16 v1(20.7,9.45)
  Bottom w0.09: v1(11.81,3.61) 11.81,3.6 J7.81
DAC_OUT: length 38.6
  In1.Cu w0.09: v1(35.61,30.81) 36.12,30.29 37.07,30.29 40.18,27.18 v1(47.64,27.18)
  In2.Cu w0.09: v1(47.64,27.18) 49.85,24.96 49.85,17.02 49.02,16.19 49.02,5.75 v1(47.94,4.67)
  Bottom w0.09: J6.20 48.21,4.86 48.13,4.86 v1(47.94,4.67)
EN_ADCS: length 145.8
  Top w0.25: 43.72,57.59 43.71,57.59 36.99,57.59 34.81,55.41 25.11,55.41 23.43,57.08 12.15,57.08 J5.2 ; 43.72,57.59 v1(43.71,57.61) ; 43.72,57.59 U1.13
  Bottom w0.25: J4.3 1.81,19.6 1.81,51.48 7.41,57.08 10.02,57.08 J5.2 ; v1(43.71,57.61) 44.21,57.11 44.21,54.71 48.48,50.44 48.48,47.64 49.61,46.51 49.61,19.71 51.41,17.91 51.41,15.61 52.43,14.58 v2(54.24,14.58) 54.88,15.22 56.09,15.22 56.12,15.19 56.12,13.82 48.21,5.91 47.88,5.91 47.81,5.84 J6.22
